# Altium PCB PROB_S7CAS_PCB.PcbDoc (part 4 of 6)
Units mil, origin at the board's own origin, x right, y up, seen from the top; angles counter-clockwise.
Board outline 5946.03 x 10918.8 mil, 16 copper layers (Top, Ground Plane 1, Data 1, Ground Plane 2, Data 2, Ground Plane 3, Power Plane 1, Ground plane 4, Power Plane 2, Ground Plane 5, Ground Plane 6, Data 3, Ground Plane 7, Data 4, Groud Plane 8, Bottom), stack 69.344 mil thick; 467 components, 340 nets, 2151 pads, 1273 vias.
Unrouted connection lines stored in the file: 425.
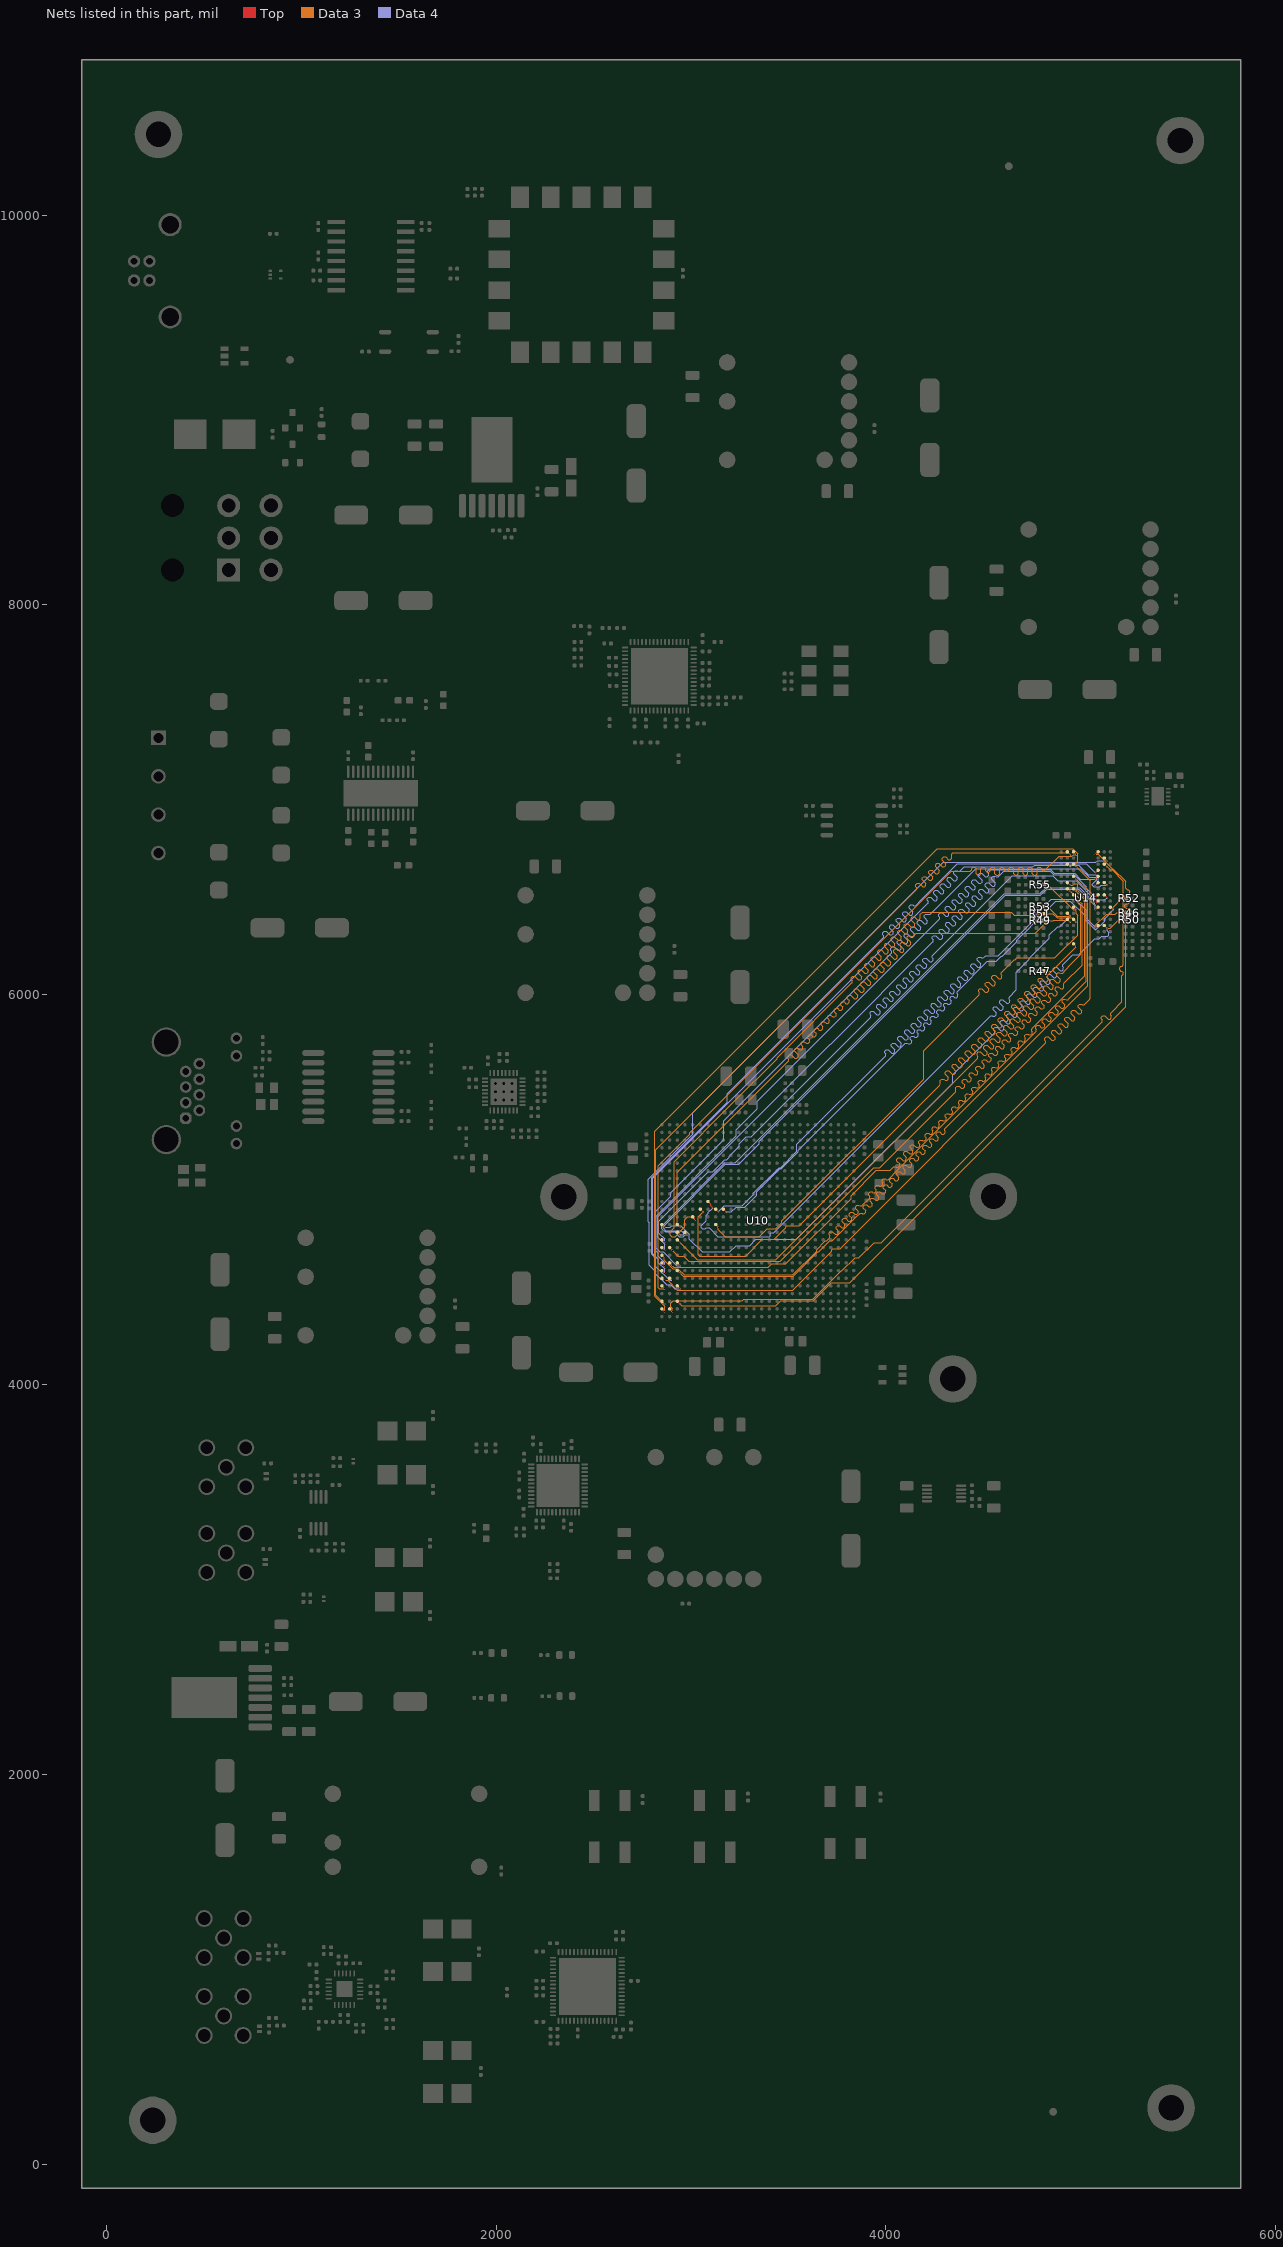
[diagram p18: the nets of this part, all layers, seen from the top]

## Via types
v1: diameter 7, hole 4, Top to Bottom, 1079 vias
v2: diameter 19.68, hole 7.87, Top to Bottom, 110 vias
v3: diameter 20, hole 10, Top to Bottom, 78 vias
v4: diameter 15, hole 4, Top to Bottom, 5 vias
v5: diameter 15, hole 6, Top to Bottom, 1 vias

## Nets (pads, with @x,y where several pads share a name; then routed paths per layer and width w, separated by ;. In a path a pad name is that pad's centre, name@x,y a point inside that pad or via, vN(x,y) a via of type N, cw(c..) or ccw(c..) an arc to the next point about the centre after c; other vN are vias at no path point) (continued)
DDR3_A12: R46.1 U10.M8 U14.N7 | length 3850.7
  Top w4: U10.M8@3126.27,4899.84 v1(3140.6,4885.59) ; v1(5075.27,6343.03) 5075.79,6343.03 5087.69,6354.93 U14.N7@5088.22,6354.93 ; v1(5210,6421.39) R46.1@5230.06,6421.39
  Data 3 w4: v1(5075.27,6343.03) 5074.85,6343.44 5074.85,6350.64 5073.92,6351.57 5073.92,6355.57 5132.36,6414.01 5176.26,6414.01 5183.64,6421.39 v1(5210,6421.39)
  Data 4 w4: v1(3140.6,4885.59) 3171.47,4916.46 3262.23,4916.46 3319.88,4974.11 3319.88,4981.26 3451.94,5113.31 3459.09,5113.31 3542.8,5197.03 3542.8,5231.9 3996.32,5685.41 3997.73,5686.83 3997.73,5697.01 3993.77,5700.97 3993.77,5711.15 4000.56,5717.94 4010.74,5717.94 4028.56,5700.12 4038.74,5700.12 4045.53,5706.91 4045.53,5717.09 4027.71,5734.91 4027.71,5745.09 4034.5,5751.88 4044.69,5751.88 4062.5,5734.06 4072.69,5734.06 4079.47,5740.85 4079.47,5751.03 4061.66,5768.85 4061.66,5779.03 4068.44,5785.82 4078.63,5785.82 4096.44,5768 4106.63,5768 4113.42,5774.79 4113.42,5784.98 4095.6,5802.79 4095.6,5812.98 4102.39,5819.76 4112.57,5819.76 4130.39,5801.95 4140.57,5801.95 4147.36,5808.73 4147.36,5818.92 4129.54,5836.73 4129.54,5846.92 4136.33,5853.7 4146.51,5853.7 4164.33,5835.89 4174.51,5835.89 4181.3,5842.68 4181.3,5852.86 4163.48,5870.68 4163.48,5880.86 4170.27,5887.65 4180.45,5887.65 4198.27,5869.83 4208.45,5869.83 4215.24,5876.62 4215.24,5886.8 4197.42,5904.62 4197.42,5914.8 4204.21,5921.59 4214.39,5921.59 4232.21,5903.77 4242.39,5903.77 4249.18,5910.56 4249.18,5920.74 4231.36,5938.56 4231.36,5948.74 4238.15,5955.53 4248.33,5955.53 4266.15,5937.71 4276.33,5937.71 4283.12,5944.5 4283.12,5954.68 4265.3,5972.5 4265.3,5982.68 4272.09,5989.47 4282.27,5989.47 4300.09,5971.65 4310.27,5971.65 4317.06,5978.44 4317.06,5988.62 4299.24,6006.44 4299.24,6016.62 4306.03,6023.41 4316.21,6023.41 4334.03,6005.59 4344.21,6005.59 4351,6012.38 4351,6022.56 4333.18,6040.38 4333.18,6050.56 4339.97,6057.35 4350.16,6057.35 4367.97,6039.53 4378.16,6039.53 4384.94,6046.32 4384.94,6056.5 4367.13,6074.32 4367.13,6084.5 4373.91,6091.29 4384.1,6091.29 4401.91,6073.47 4412.1,6073.47 4418.89,6080.26 4418.89,6090.45 4401.07,6108.26 4401.07,6118.45 4407.86,6125.23 4418.04,6125.23 4435.86,6107.42 4446.04,6107.42 4452.83,6114.2 4452.83,6124.39 4435.01,6142.2 4435.01,6152.39 4441.8,6159.18 4451.98,6159.18 4469.8,6141.36 4479.98,6141.36 4486.77,6148.15 4486.77,6158.33 4468.95,6176.15 4468.95,6186.33 4475.74,6193.12 4485.92,6193.12 4489.88,6189.16 4500.06,6189.16 4506.26,6195.35 4511.5,6200.59 4576.55,6200.59 4735.33,6359.37 4735.33,6359.65 4752.22,6376.54 4752.22,6394.74 4847.8,6490.32 4969.88,6490.32 5026.72,6433.48 5026.72,6391.58 v1(5075.27,6343.03)
DDR3_A13: R47.1 U10.M6 U14.T3 | length 3887.2
  Top w4: U10.M6@3047.57,4899.84 v1@3061.82,4885.59 ; R47.1@4808.9,6121.25 4829.19,6121.25 4833.34,6117.11 v1(4834.15,6117.11) ; U14.T3@4962.28,6260.44 v1@4976.53,6246.2
  Data 3 w4: v1(3061.86,4885.59) 3037.99,4861.72 3037.99,4664.66 3044.44,4658.21 3279.57,4658.21 3366.09,4744.73 3426.93,4744.73 3486.43,4804.24 3486.43,4810.37 3491.41,4815.35 3554.83,4815.35 4275.08,5535.61 4279.59,5540.12 4279.59,5550.3 4279.59,5560.48 4286.38,5567.27 4296.56,5567.27 4303.34,5560.49 4313.52,5560.49 4320.31,5567.28 4320.31,5577.47 4305.02,5592.75 4305.02,5602.93 4311.81,5609.72 4321.99,5609.72 4340.09,5591.62 4350.28,5591.62 4357.06,5598.41 4357.06,5608.59 4338.96,5626.69 4338.96,5636.87 4345.75,5643.66 4355.93,5643.66 4374.03,5625.56 4384.22,5625.56 4391,5632.35 4391,5642.53 4372.9,5660.63 4372.9,5670.82 4379.69,5677.6 4389.87,5677.6 4407.98,5659.5 4418.16,5659.5 4424.95,5666.29 4424.95,5676.47 4406.84,5694.57 4406.84,5704.76 4413.63,5711.55 4423.81,5711.55 4441.58,5693.78 4451.76,5693.78 4458.55,5700.57 4458.55,5710.75 4440.78,5728.52 4440.78,5738.7 4447.57,5745.49 4457.76,5745.49 4475.52,5727.72 4485.7,5727.72 4492.49,5734.51 4492.49,5744.69 4474.73,5762.46 4474.73,5772.64 4481.51,5779.43 4491.7,5779.43 4509.46,5761.66 4519.64,5761.66 4526.43,5768.45 4526.43,5778.64 4508.67,5796.4 4508.67,5806.58 4515.46,5813.37 4525.64,5813.37 4543.4,5795.61 4553.58,5795.61 4560.37,5802.39 4560.37,5812.58 4542.61,5830.34 4542.61,5840.52 4549.4,5847.31 4559.58,5847.31 4577.34,5829.55 4587.52,5829.55 4594.31,5836.34 4594.31,5846.52 4576.55,5864.28 4576.55,5874.46 4583.34,5881.25 4593.52,5881.25 4611.28,5863.49 4621.46,5863.49 4628.25,5870.28 4628.25,5880.46 4610.49,5898.22 4610.49,5908.4 4617.28,5915.19 4627.46,5915.19 4645.22,5897.43 4655.41,5897.43 4662.19,5904.22 4662.19,5914.4 4644.43,5932.16 4644.43,5942.34 4651.22,5949.13 4661.4,5949.13 4679.16,5931.37 4689.35,5931.37 4696.14,5938.16 4696.14,5948.34 4678.37,5966.1 4678.37,5976.29 4685.16,5983.07 4695.34,5983.07 4713.11,5965.31 4723.29,5965.31 4730.08,5972.1 4730.08,5982.28 4712.31,6000.04 4712.31,6010.23 4719.1,6017.02 4729.28,6017.02 4747.05,5999.25 4757.23,5999.25 4764.02,6006.04 4764.02,6016.22 4746.26,6033.99 4746.26,6044.17 4753.04,6050.96 4763.23,6050.96 4780.99,6033.19 4791.17,6033.19 4797.96,6039.98 4797.96,6050.16 4780.2,6067.93 4780.2,6078.11 4786.98,6084.9 4797.17,6084.9 4814.93,6067.14 4825.11,6067.14 4831.9,6073.92 4831.9,6084.11 4828.28,6087.73 4828.28,6097.91 4829.69,6099.32 4851.62,6121.25 ; v1(4834.15,6117.11) 4834.96,6117.11 4839.11,6121.25 4851.62,6121.25 ; v1(4976.57,6246.2) 4851.62,6121.25
DDR3_BA0: R49.1 U10.P3 U14.M2 | length 3863.5
  Top w4: U10.P3@2929.46,4821.1 v1@2943.71,4806.85 ; R49.1@4808.05,6379.87 4808.24,6380.06 4829.81,6380.06 v1(4830,6380.26) ; U14.M2@4930.78,6386.43 v1@4945.03,6372.18
  Data 3 w4: v1(2943.75,4806.85) 2928.25,4822.35 2928.25,5088.16 3499.6,5659.5 3501.01,5660.92 3501.01,5671.1 3497.05,5675.06 3497.05,5685.24 3503.84,5692.03 3514.02,5692.03 3532.13,5673.93 3542.31,5673.93 3549.1,5680.72 3549.1,5690.9 3530.99,5709 3530.99,5719.18 3537.78,5725.97 3547.96,5725.97 3557.11,5716.82 3567.3,5716.82 3574.09,5723.61 3574.09,5733.79 3564.94,5742.94 3564.94,5753.12 3571.72,5759.91 3581.91,5759.91 3591.06,5750.76 3601.24,5750.76 3608.03,5757.55 3608.03,5767.73 3598.88,5776.88 3598.88,5787.06 3605.66,5793.85 3615.85,5793.85 3625,5784.7 3635.18,5784.7 3641.97,5791.49 3641.97,5801.67 3632.82,5810.82 3632.82,5821.01 3639.61,5827.79 3649.79,5827.79 3658.94,5818.64 3669.12,5818.64 3675.91,5825.43 3675.91,5835.61 3666.76,5844.76 3666.76,5854.95 3673.55,5861.74 3683.73,5861.74 3692.88,5852.59 3703.06,5852.59 3709.85,5859.37 3709.85,5869.56 3700.7,5878.71 3700.7,5888.89 3707.49,5895.68 3717.67,5895.68 3726.82,5886.53 3737,5886.53 3743.79,5893.31 3743.79,5903.5 3734.64,5912.65 3734.64,5922.83 3741.43,5929.62 3751.61,5929.62 3760.76,5920.47 3770.94,5920.47 3777.73,5927.26 3777.73,5937.44 3768.58,5946.59 3768.58,5956.77 3775.37,5963.56 3785.55,5963.56 3794.7,5954.41 3804.88,5954.41 3811.67,5961.2 3811.67,5971.38 3802.52,5980.53 3802.52,5990.71 3809.31,5997.5 3819.49,5997.5 3837.6,5979.4 3847.78,5979.4 3854.57,5986.19 3854.57,5996.37 3836.46,6014.47 3836.46,6024.65 3843.25,6031.44 3853.43,6031.44 3871.54,6013.34 3881.72,6013.34 3888.51,6020.13 3888.51,6030.31 3870.41,6048.41 3870.41,6058.59 3877.19,6065.38 3887.38,6065.38 3905.48,6047.28 3915.66,6047.28 3922.45,6054.07 3922.45,6064.25 3904.35,6082.35 3904.35,6092.53 3911.13,6099.32 3921.32,6099.32 3939.42,6081.22 3949.6,6081.22 3956.39,6088.01 3956.39,6098.19 3938.29,6116.29 3938.29,6126.48 3945.08,6133.26 3955.26,6133.26 3973.36,6115.16 3983.54,6115.16 3990.33,6121.95 3990.33,6132.13 3972.23,6150.23 3972.23,6160.42 3979.02,6167.21 3989.2,6167.21 4007.3,6149.1 4017.48,6149.1 4024.27,6155.89 4024.27,6166.07 4006.17,6184.18 4006.17,6194.36 4012.96,6201.15 4023.14,6201.15 4041.24,6183.04 4051.42,6183.04 4058.21,6189.83 4058.21,6200.01 4040.11,6218.12 4040.11,6228.3 4046.9,6235.09 4057.08,6235.09 4075.18,6216.99 4085.37,6216.99 4092.15,6223.77 4092.15,6233.96 4074.05,6252.06 4074.05,6262.24 4080.84,6269.03 4091.02,6269.03 4109.12,6250.93 4119.31,6250.93 4126.1,6257.71 4126.1,6267.9 4107.99,6286 4107.99,6296.18 4114.78,6302.97 4124.96,6302.97 4128.92,6299.01 4139.11,6299.01 4145.11,6305.01 4155.38,6315.28 4765.02,6315.28 v1(4830,6380.26) 4859.09,6380.26 4860.19,6381.36 4935.89,6381.36 v1(4945.07,6372.18)
DDR3_BA1: R50.1 U10.P1 U14.N8 | length 3861.1
  Top w4: U10.P1@2850.68,4821.1 v1(2865.01,4806.85) ; U14.N8@5119.76,6354.93 v1(5134.05,6340.68) ; v1(5210,6385.62) R50.1@5230.34,6385.62
  Data 3 w4: v1(5134.05,6340.68) 5149.56,6340.68 5194.49,6385.62 v1(5210,6385.62)
  Data 4 w4: v1(2865.01,4806.85) 2892.36,4806.85 2900.86,4815.35 2947.27,4815.35 2991.62,4771 2991.62,4746.53 3057.91,4680.24 3198.82,4680.24 3231.19,4712.61 3300.03,4712.61 3332.4,4744.98 3539.15,4744.98 3746.41,4952.23 3748.39,4952.23 4342.79,5546.63 4342.79,5589.06 4555.46,5801.73 4556.87,5803.14 4556.87,5813.33 4552.91,5817.29 4552.91,5827.47 4559.7,5834.26 4569.88,5834.26 4587.98,5816.16 4598.17,5816.16 4604.95,5822.94 4604.95,5833.13 4586.85,5851.23 4586.85,5861.41 4593.64,5868.2 4603.82,5868.2 4621.92,5850.1 4632.11,5850.1 4638.9,5856.88 4638.9,5867.07 4620.79,5885.17 4620.79,5895.35 4627.58,5902.14 4637.76,5902.14 4655.87,5884.04 4666.05,5884.04 4672.84,5890.83 4672.84,5901.01 4654.73,5919.11 4654.73,5929.29 4661.52,5936.08 4671.71,5936.08 4689.81,5917.98 4699.99,5917.98 4706.78,5924.77 4706.78,5934.95 4688.68,5953.05 4688.68,5963.23 4695.46,5970.02 4705.65,5970.02 4723.75,5951.92 4733.93,5951.92 4740.72,5958.71 4740.72,5968.89 4722.62,5986.99 4722.62,5997.17 4729.41,6003.96 4739.59,6003.96 4757.69,5985.86 4767.87,5985.86 4774.66,5992.65 4774.66,6002.83 4756.56,6020.93 4756.56,6031.12 4763.35,6037.9 4773.53,6037.9 4791.63,6019.8 4801.81,6019.8 4808.6,6026.59 4808.6,6036.77 4790.5,6054.87 4790.5,6065.06 4797.29,6071.85 4807.47,6071.85 4825.57,6053.74 4835.75,6053.74 4842.54,6060.53 4842.54,6070.71 4826.25,6087.01 4826.25,6097.19 4833.04,6103.98 4843.22,6103.98 4859.51,6087.68 4869.7,6087.68 4876.48,6094.47 4876.48,6104.66 4858.38,6122.76 4858.38,6132.94 4865.17,6139.73 4875.35,6139.73 4893.45,6121.63 4903.64,6121.63 4910.42,6128.41 4910.42,6138.6 4906.46,6142.56 4906.46,6152.74 4940.59,6186.87 4958.19,6204.46 4987.99,6204.46 5070.39,6286.87 5093.31,6286.87 5106.19,6299.75 5136.63,6299.75 5142.55,6305.67 5142.55,6318.52 5134.05,6327.02 v1(5134.05,6340.68)
DDR3_BA2: R51.1 U10.N5 U14.M3 | length 3887.2
  Top w4: U10.N5@3008.16,4860.47 v1(3022.49,4846.22) ; R51.1@4809.1,6415.5 v1(4830,6415.5) ; U14.M3@4962.24,6386.43 v1(4976.5,6372.18)
  Data 3 w4: v1(3022.49,4846.22) 3006.99,4861.72 2983.12,4861.72 2967.99,4846.59 2967.99,4809.17 2917.8,4758.98 2900.82,4758.98 2893.38,4766.42 2893.38,4783.83 2912.88,4803.33 2912.88,5143.93 3213.49,5444.53 3214.51,5444.53 3441.8,5671.82 3441.8,5677.28 3825.65,6061.14 3827.07,6062.55 3827.07,6072.73 3823.11,6076.69 3823.11,6086.88 3829.9,6093.66 3840.08,6093.66 3858.18,6075.56 3868.36,6075.56 3875.15,6082.35 3875.15,6092.53 3857.05,6110.63 3857.05,6120.82 3863.84,6127.6 3874.02,6127.6 3892.12,6109.5 3902.3,6109.5 3909.09,6116.29 3909.09,6126.47 3890.99,6144.58 3890.99,6154.76 3897.78,6161.55 3907.96,6161.55 3926.06,6143.44 3936.24,6143.44 3943.03,6150.23 3943.03,6160.41 3924.93,6178.52 3924.93,6188.7 3931.72,6195.49 3941.9,6195.49 3960,6177.38 3970.19,6177.38 3976.97,6184.17 3976.97,6194.36 3958.87,6212.46 3958.87,6222.64 3965.66,6229.43 3975.84,6229.43 3993.94,6211.33 4004.13,6211.33 4010.92,6218.11 4010.92,6228.3 3992.81,6246.4 3992.81,6256.58 3999.6,6263.37 4009.78,6263.37 4027.89,6245.27 4038.07,6245.27 4044.86,6252.06 4044.86,6262.24 4026.75,6280.34 4026.75,6290.52 4033.54,6297.31 4043.73,6297.31 4061.83,6279.21 4072.01,6279.21 4078.8,6286 4078.8,6296.18 4060.7,6314.28 4060.7,6324.46 4067.48,6331.25 4077.67,6331.25 4095.77,6313.15 4105.95,6313.15 4112.74,6319.94 4112.74,6330.12 4094.64,6348.22 4094.64,6358.4 4101.42,6365.19 4111.61,6365.19 4129.71,6347.09 4139.89,6347.09 4146.68,6353.88 4146.68,6364.06 4128.58,6382.16 4128.58,6392.35 4135.37,6399.13 4145.55,6399.13 4160.02,6384.66 4170.2,6384.66 4176.99,6391.45 4176.99,6401.63 4176.66,6401.96 4176.66,6412.14 4188.52,6424 4641.69,6424 4657.58,6408.1 4781.22,6408.1 4788.61,6415.5 v1(4830,6415.5) 4856.23,6415.5 4877.89,6393.84 4954.91,6393.84 v1(4976.5,6372.18) v1(4976.5,6372.18)
DDR3_CAS: R55.1 U10.P8 U14.K3 | length 3179.6
  Top w4: U10.P8@3126.27,4821.1 v1(3140.6,4806.85) ; R55.1@4809.77,6565.32 v1(4830,6565.32) ; U14.K3@4962.28,6449.42 v1@4976.53,6435.17
  Data 3 w4: v1(3140.6,4806.85) 3140.6,4794.83 3176.45,4758.98 3350.65,4758.98 3390.68,4799.01 3434.69,4799.01 3465.43,4829.76 3465.43,4839.16 4192.77,5566.49 4192.77,5713.56 4461.53,5982.32 4479.11,5999.9 4479.11,6010.09 4475.15,6014.05 4475.15,6024.23 4481.94,6031.02 4492.12,6031.02 4510.23,6012.91 4520.41,6012.91 4527.2,6019.7 4527.2,6029.88 4509.1,6047.99 4509.1,6058.17 4515.88,6064.96 4526.07,6064.96 4544.17,6046.85 4554.35,6046.85 4561.14,6053.64 4561.14,6063.83 4543.04,6081.93 4543.04,6092.11 4549.82,6098.9 4560.01,6098.9 4578.11,6080.8 4588.29,6080.8 4595.08,6087.58 4595.08,6097.77 4591.12,6101.73 4591.12,6111.91 4592.53,6113.32 4659.06,6179.85 4662.84,6179.85 4667.82,6184.83 4667.82,6186.01 4670.16,6188.35 4865.3,6188.35 4938.65,6261.7 4941.42,6261.7 4985,6305.28 4985,6407.26 4976.57,6415.7 v1(4976.57,6435.17) 4960.64,6435.17 4830.49,6565.32 v1(4830,6565.32)
DDR3_CKE: R52.1 U10.M9 U14.K9 | length 3148.1
  Top w4: U10.M9@3165.68,4899.84 v1@3179.93,4885.59 ; U14.K9@5151.25,6449.42 v1(5165.54,6435.17) ; v1(5210,6493.75) R52.1@5230.11,6493.74
  Data 3 w4: v1(5165.54,6435.17) 5165.54,6449.29 v1(5210,6493.75)
  Data 4 w4: v1(3179.97,4885.59) 3207.32,4885.59 3231.19,4909.46 3274.41,4909.46 3318.22,4953.27 3319.33,4953.27 3336.88,4970.83 3336.88,4988.36 3454.83,5106.31 3461.98,5106.31 3549.8,5194.13 3549.8,5201.28 4081.74,5733.22 4100.13,5751.6 4110.31,5751.6 4114.27,5747.64 4124.45,5747.64 4131.24,5754.43 4131.24,5764.61 4125.51,5770.35 4125.51,5780.53 4132.29,5787.32 4142.48,5787.32 4148.21,5781.59 4158.39,5781.59 4165.18,5788.37 4165.18,5798.56 4159.45,5804.29 4159.45,5814.47 4166.24,5821.26 4176.42,5821.26 4182.15,5815.53 4192.33,5815.53 4199.12,5822.31 4199.12,5832.5 4193.39,5838.23 4193.39,5848.41 4200.18,5855.2 4210.36,5855.2 4216.09,5849.47 4226.27,5849.47 4233.06,5856.26 4233.06,5866.44 4227.33,5872.17 4227.33,5882.35 4234.12,5889.14 4244.3,5889.14 4250.03,5883.41 4260.21,5883.41 4267,5890.2 4267,5900.38 4261.27,5906.11 4261.27,5916.29 4268.06,5923.08 4278.24,5923.08 4283.97,5917.35 4294.16,5917.35 4300.94,5924.14 4300.94,5934.32 4295.21,5940.05 4295.21,5950.23 4302,5957.02 4312.18,5957.02 4317.91,5951.29 4328.1,5951.29 4334.89,5958.08 4334.89,5968.26 4329.15,5973.99 4329.15,5984.18 4335.94,5990.96 4346.12,5990.96 4351.86,5985.23 4362.04,5985.23 4368.83,5992.02 4368.83,6002.2 4364.87,6006.16 4364.87,6016.34 4367.01,6018.49 4519.89,6171.36 4565.24,6171.36 4591.34,6197.46 4597.75,6197.46 4672.09,6271.8 4672.09,6278.21 4742.33,6348.45 4742.33,6351.94 4870.9,6480.51 4946.57,6480.51 5019.72,6407.37 5019.72,6386.56 5073.52,6332.75 5077.01,6332.75 5121.21,6376.95 5121.21,6390.83 v1(5165.54,6435.17)
DDR3_CKN: U10.R3 U14.K7 | length 3189
  Top w4: U10.R3@2929.46,4781.73 v1@2943.71,4767.48 ; v1(5073.92,6435.85) 5074.28,6435.85 5087.86,6449.42 U14.K7@5088.22,6449.42
  Data 4 w4: v1(2943.75,4767.48) 2959.04,4767.48 2963.55,4771.99 2963.55,4775.31 2948.88,4789.98 2869.86,4789.98 2856.51,4803.33 2856.51,4810.37 3176.45,5130.31 3243.98,5130.31 3348.72,5235.05 3348.72,5248.05 4611.24,6510.58 4792.73,6510.58 4824.23,6542.08 4988.01,6542.08 5073.92,6456.16 v1(5073.92,6435.85)
DDR3_CKP: U10.R4 U14.J7 | length 3184.2
  Top w4: U10.R4@2968.79,4781.73 v1(2983.12,4767.48) ; v1(5074.34,6467.76) 5074.7,6467.76 5087.86,6480.92 U14.J7@5088.22,6480.92
  Data 4 w4: v1(2983.12,4767.48) 2969.11,4767.48 2960.61,4758.98 2940.06,4758.98 2916.06,4782.98 2866.96,4782.98 2849.51,4800.43 2849.51,4813.27 3173.55,5137.31 3225.61,5137.31 4605.87,6517.58 4789.83,6517.58 4821.33,6549.08 4993.03,6549.08 v1(5074.34,6467.76)
DDR3_CS: R53.1 U10.L7 U14.L2 | length 3160.3
  Top w4: U10.L7@3086.9,4939.21 3101.19,4924.96 3101.19,4916.15 v1(3111.95,4905.39) ; R53.1@4809.4,6451.63 v1(4830,6451.63) ; U14.L2@4930.78,6417.92 v1@4945.03,6403.68
  Data 3 w4: v1(4830,6451.63) 4877.96,6403.68 v1(4945.07,6403.68)
  Data 4 w4: v1(3111.95,4905.39) 3100.64,4894.08 3098.52,4894.08 3087.94,4883.5 3087.94,4879.85 3077.36,4869.27 3077.36,4839.8 3053.36,4815.8 3053.36,4803.33 3058.34,4798.35 3073.05,4798.35 3078.03,4803.33 3092.73,4803.33 3137.08,4758.98 3403.98,4758.98 3406.33,4761.33 3406.33,4766.35 3405.29,4767.39 3405.29,4774.43 3410.27,4779.41 3424.41,4779.41 4485.04,5840.04 4536.41,5891.41 4546.59,5891.41 4547.84,5890.15 4558.02,5890.15 4564.81,5896.94 4564.81,5907.12 4549.42,5922.52 4549.42,5932.7 4556.2,5939.49 4566.39,5939.49 4584.49,5921.39 4594.67,5921.39 4601.46,5928.17 4601.46,5938.36 4583.36,5956.46 4583.36,5966.64 4590.15,5973.43 4600.33,5973.43 4618.43,5955.33 4628.61,5955.33 4635.4,5962.12 4635.4,5972.3 4631.44,5976.26 4631.44,5986.44 4632.86,5987.86 4669.18,6024.18 4669.18,6116.19 4735.12,6182.13 4735.12,6187.27 4838.5,6290.65 4838.5,6306.94 4881.42,6349.86 4891.25,6349.86 v1(4945.07,6403.68)
DDR3_DQ0: U10.Y3 U14.E3 | length 3872.4
  Top w4: U10.Y3@2929.46,4584.88 v1@2943.71,4570.63 ; U14.E3@4962.28,6606.9 v1@4976.53,6592.65
  Data 3 w4: v1(2943.75,4570.63) 2959.25,4555.13 3523.95,4555.13 3649.06,4680.24 3655.94,4680.24 3712.31,4736.61 3724.96,4736.61 3848.65,4860.3 3867.04,4878.69 3877.22,4878.69 3878.87,4877.04 3889.05,4877.04 3895.84,4883.83 3895.84,4894.01 3884.42,4905.43 3884.42,4915.61 3891.21,4922.4 3901.39,4922.4 3912.81,4910.98 3922.99,4910.98 3929.78,4917.77 3929.78,4927.95 3918.36,4939.37 3918.36,4949.55 3925.15,4956.34 3935.33,4956.34 3946.75,4944.93 3956.93,4944.93 3963.72,4951.71 3963.72,4961.9 3952.3,4973.31 3952.3,4983.49 3959.09,4990.28 3969.28,4990.28 3980.69,4978.87 3990.87,4978.87 3997.66,4985.65 3997.66,4995.84 3986.25,5007.25 3986.25,5017.43 3993.03,5024.22 4003.22,5024.22 4014.63,5012.81 4024.81,5012.81 4031.6,5019.6 4031.6,5029.78 4020.19,5041.19 4020.19,5051.37 4026.97,5058.16 4037.16,5058.16 4048.57,5046.75 4058.75,5046.75 4065.54,5053.54 4065.54,5063.72 4054.13,5075.13 4054.13,5085.31 4060.92,5092.1 4071.1,5092.1 4082.51,5080.69 4092.69,5080.69 4099.48,5087.48 4099.48,5097.66 4088.07,5109.07 4088.07,5119.26 4094.86,5126.04 4105.04,5126.04 4116.45,5114.63 4126.64,5114.63 4133.42,5121.42 4133.42,5131.6 4122.01,5143.01 4122.01,5153.2 4128.8,5159.99 4138.98,5159.99 4150.39,5148.57 4160.58,5148.57 4167.36,5155.36 4167.36,5165.54 4155.95,5176.96 4155.95,5187.14 4162.74,5193.93 4172.92,5193.93 4184.34,5182.51 4194.52,5182.51 4201.31,5189.3 4201.31,5199.48 4189.89,5210.9 4189.89,5221.08 4196.68,5227.87 4206.86,5227.87 4218.28,5216.45 4228.46,5216.45 4235.25,5223.24 4235.25,5233.42 4223.83,5244.84 4223.83,5255.02 4230.62,5261.81 4240.8,5261.81 4252.22,5250.4 4262.4,5250.4 4269.19,5257.18 4269.19,5267.37 4257.77,5278.78 4257.77,5288.96 4264.56,5295.75 4274.75,5295.75 4286.16,5284.34 4296.34,5284.34 4303.13,5291.12 4303.13,5301.31 4301.48,5302.95 4301.48,5313.14 4308.47,5320.12 5034,6045.65 5034,6535.22 v1(4976.57,6592.65)